# Altium PCB Power Distribution Board Rev5.PcbDoc (part 1 of 2)
Units mil, origin at the board's own origin, x right, y up, seen from the top; angles counter-clockwise.
Board outline 4527.56 x 4527.56 mil, 4 copper layers (Top Layer, L2-Ground, L3-Ground, Bottom Layer), stack 62.449 mil thick; 183 components, 98 nets, 526 pads, 289 vias.
Unrouted connection lines stored in the file: 2.
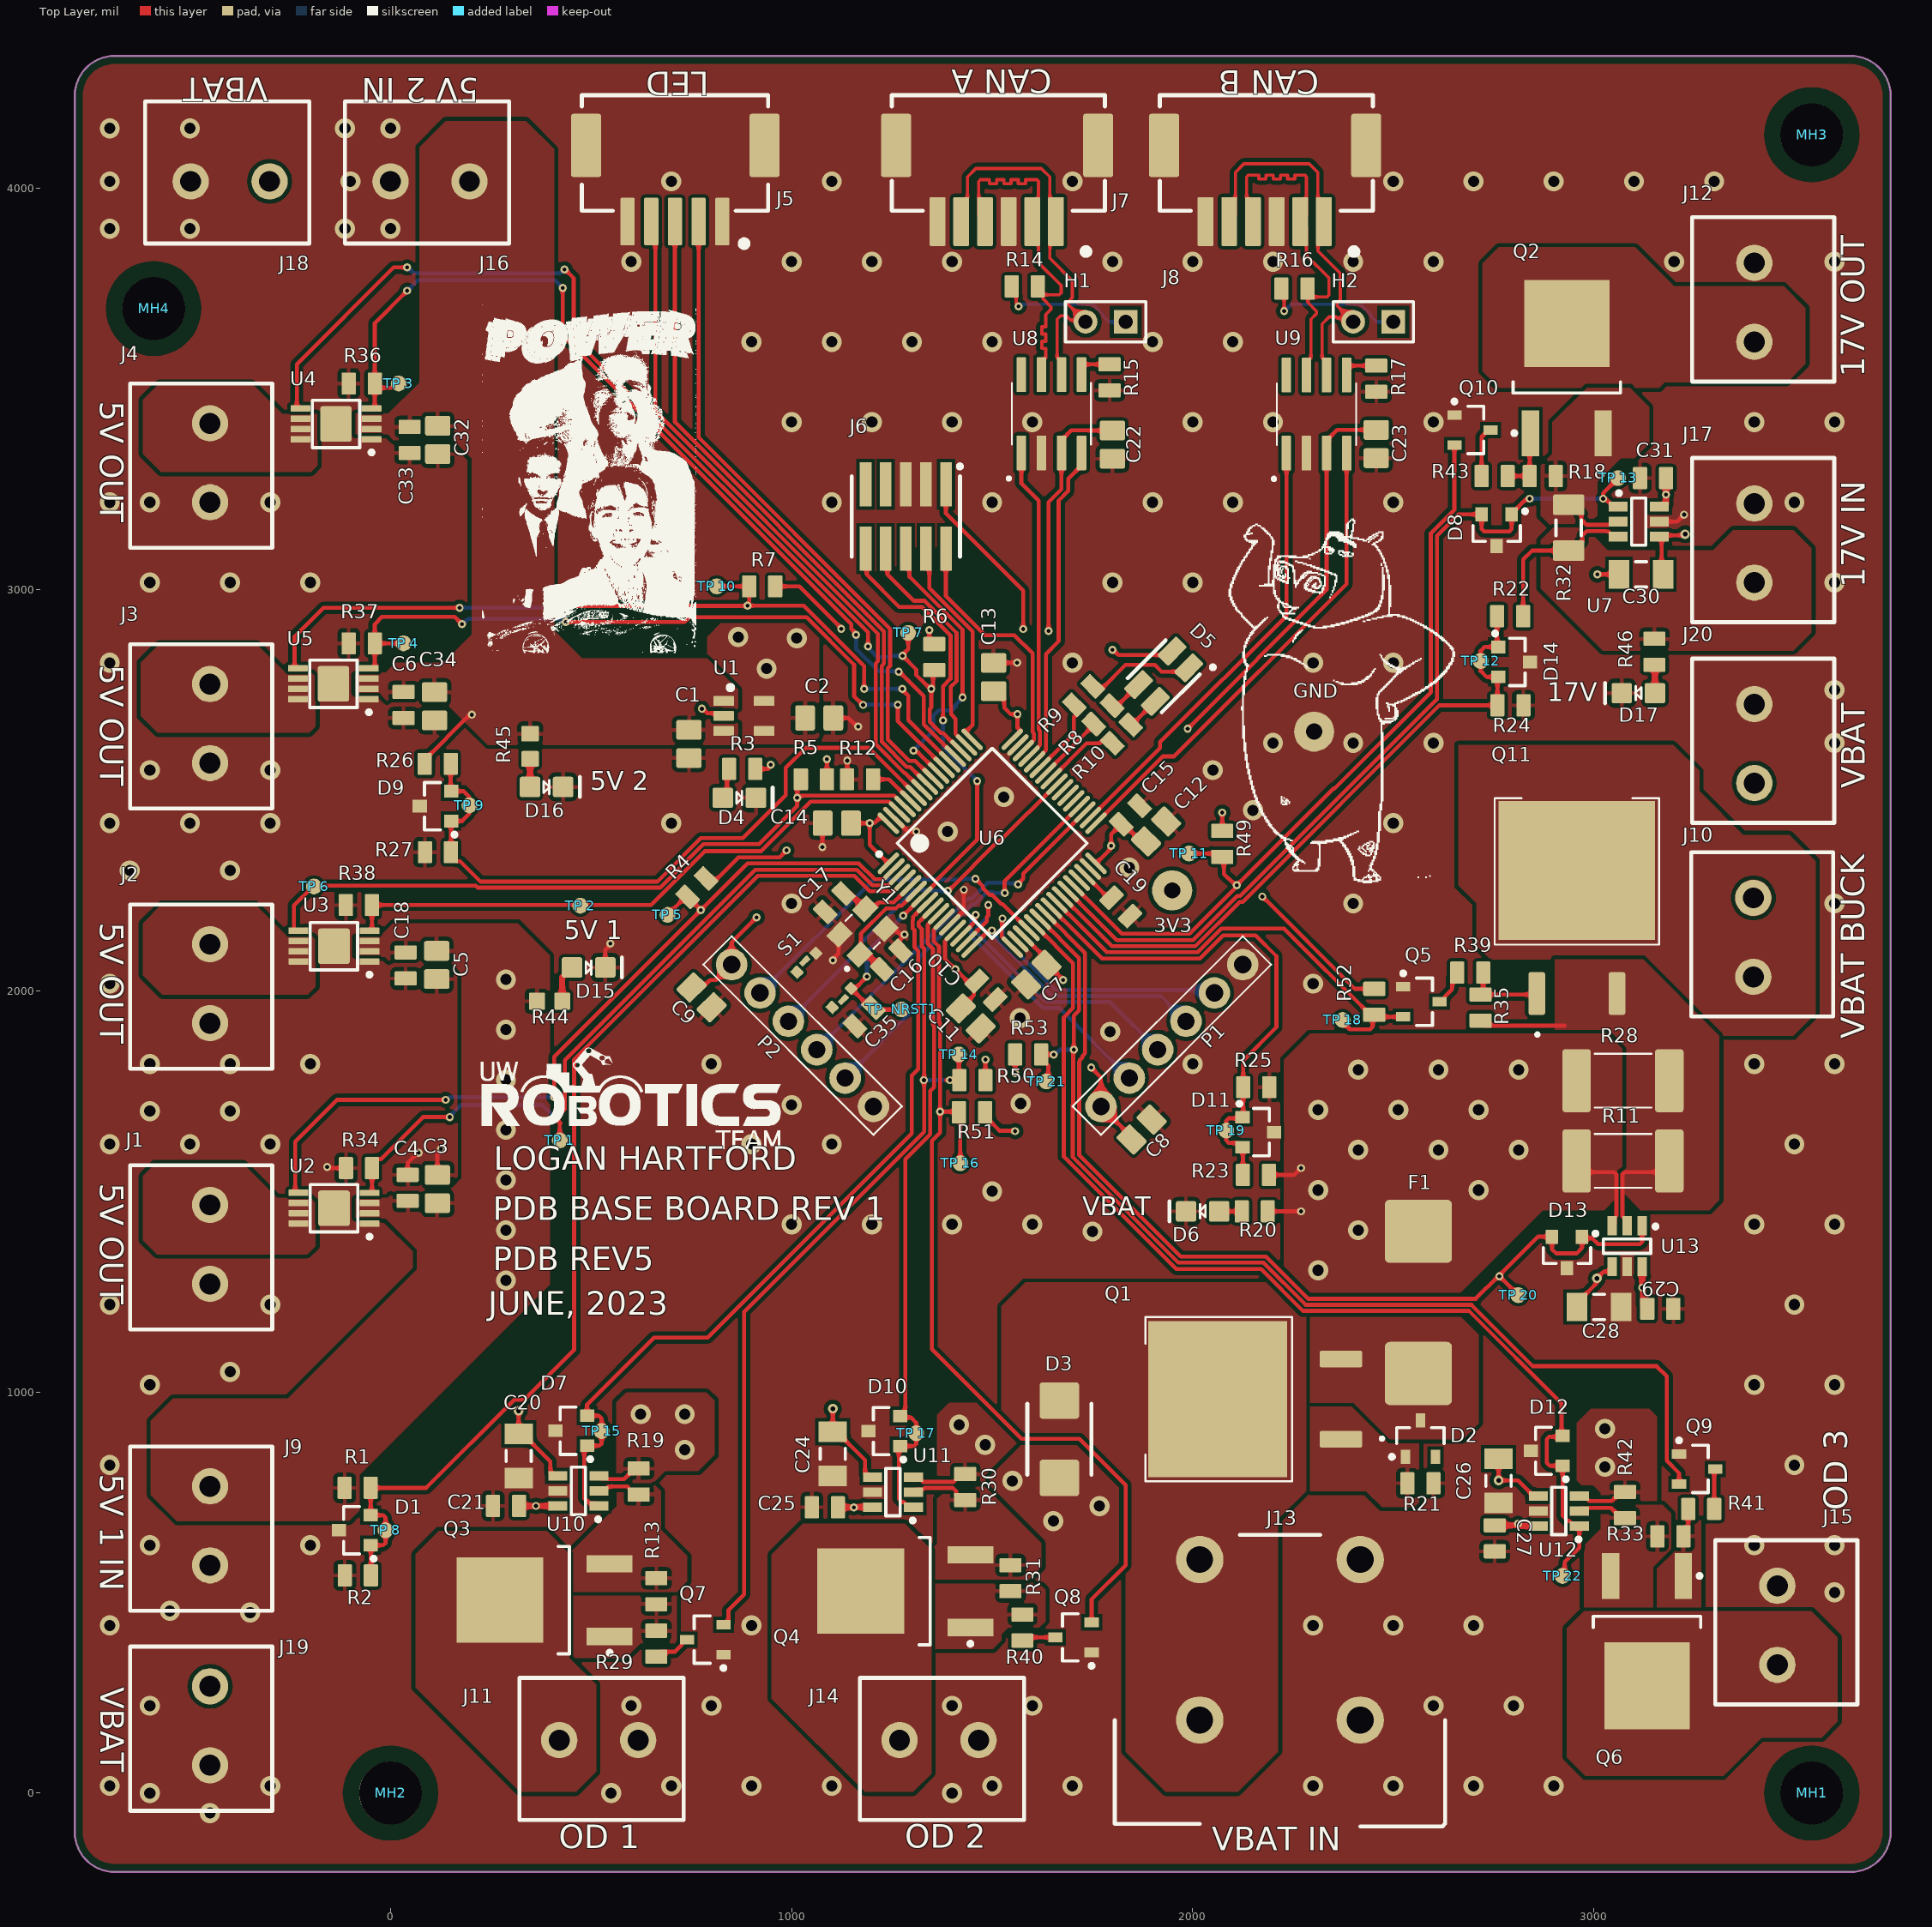
[diagram p0: Top Layer view]
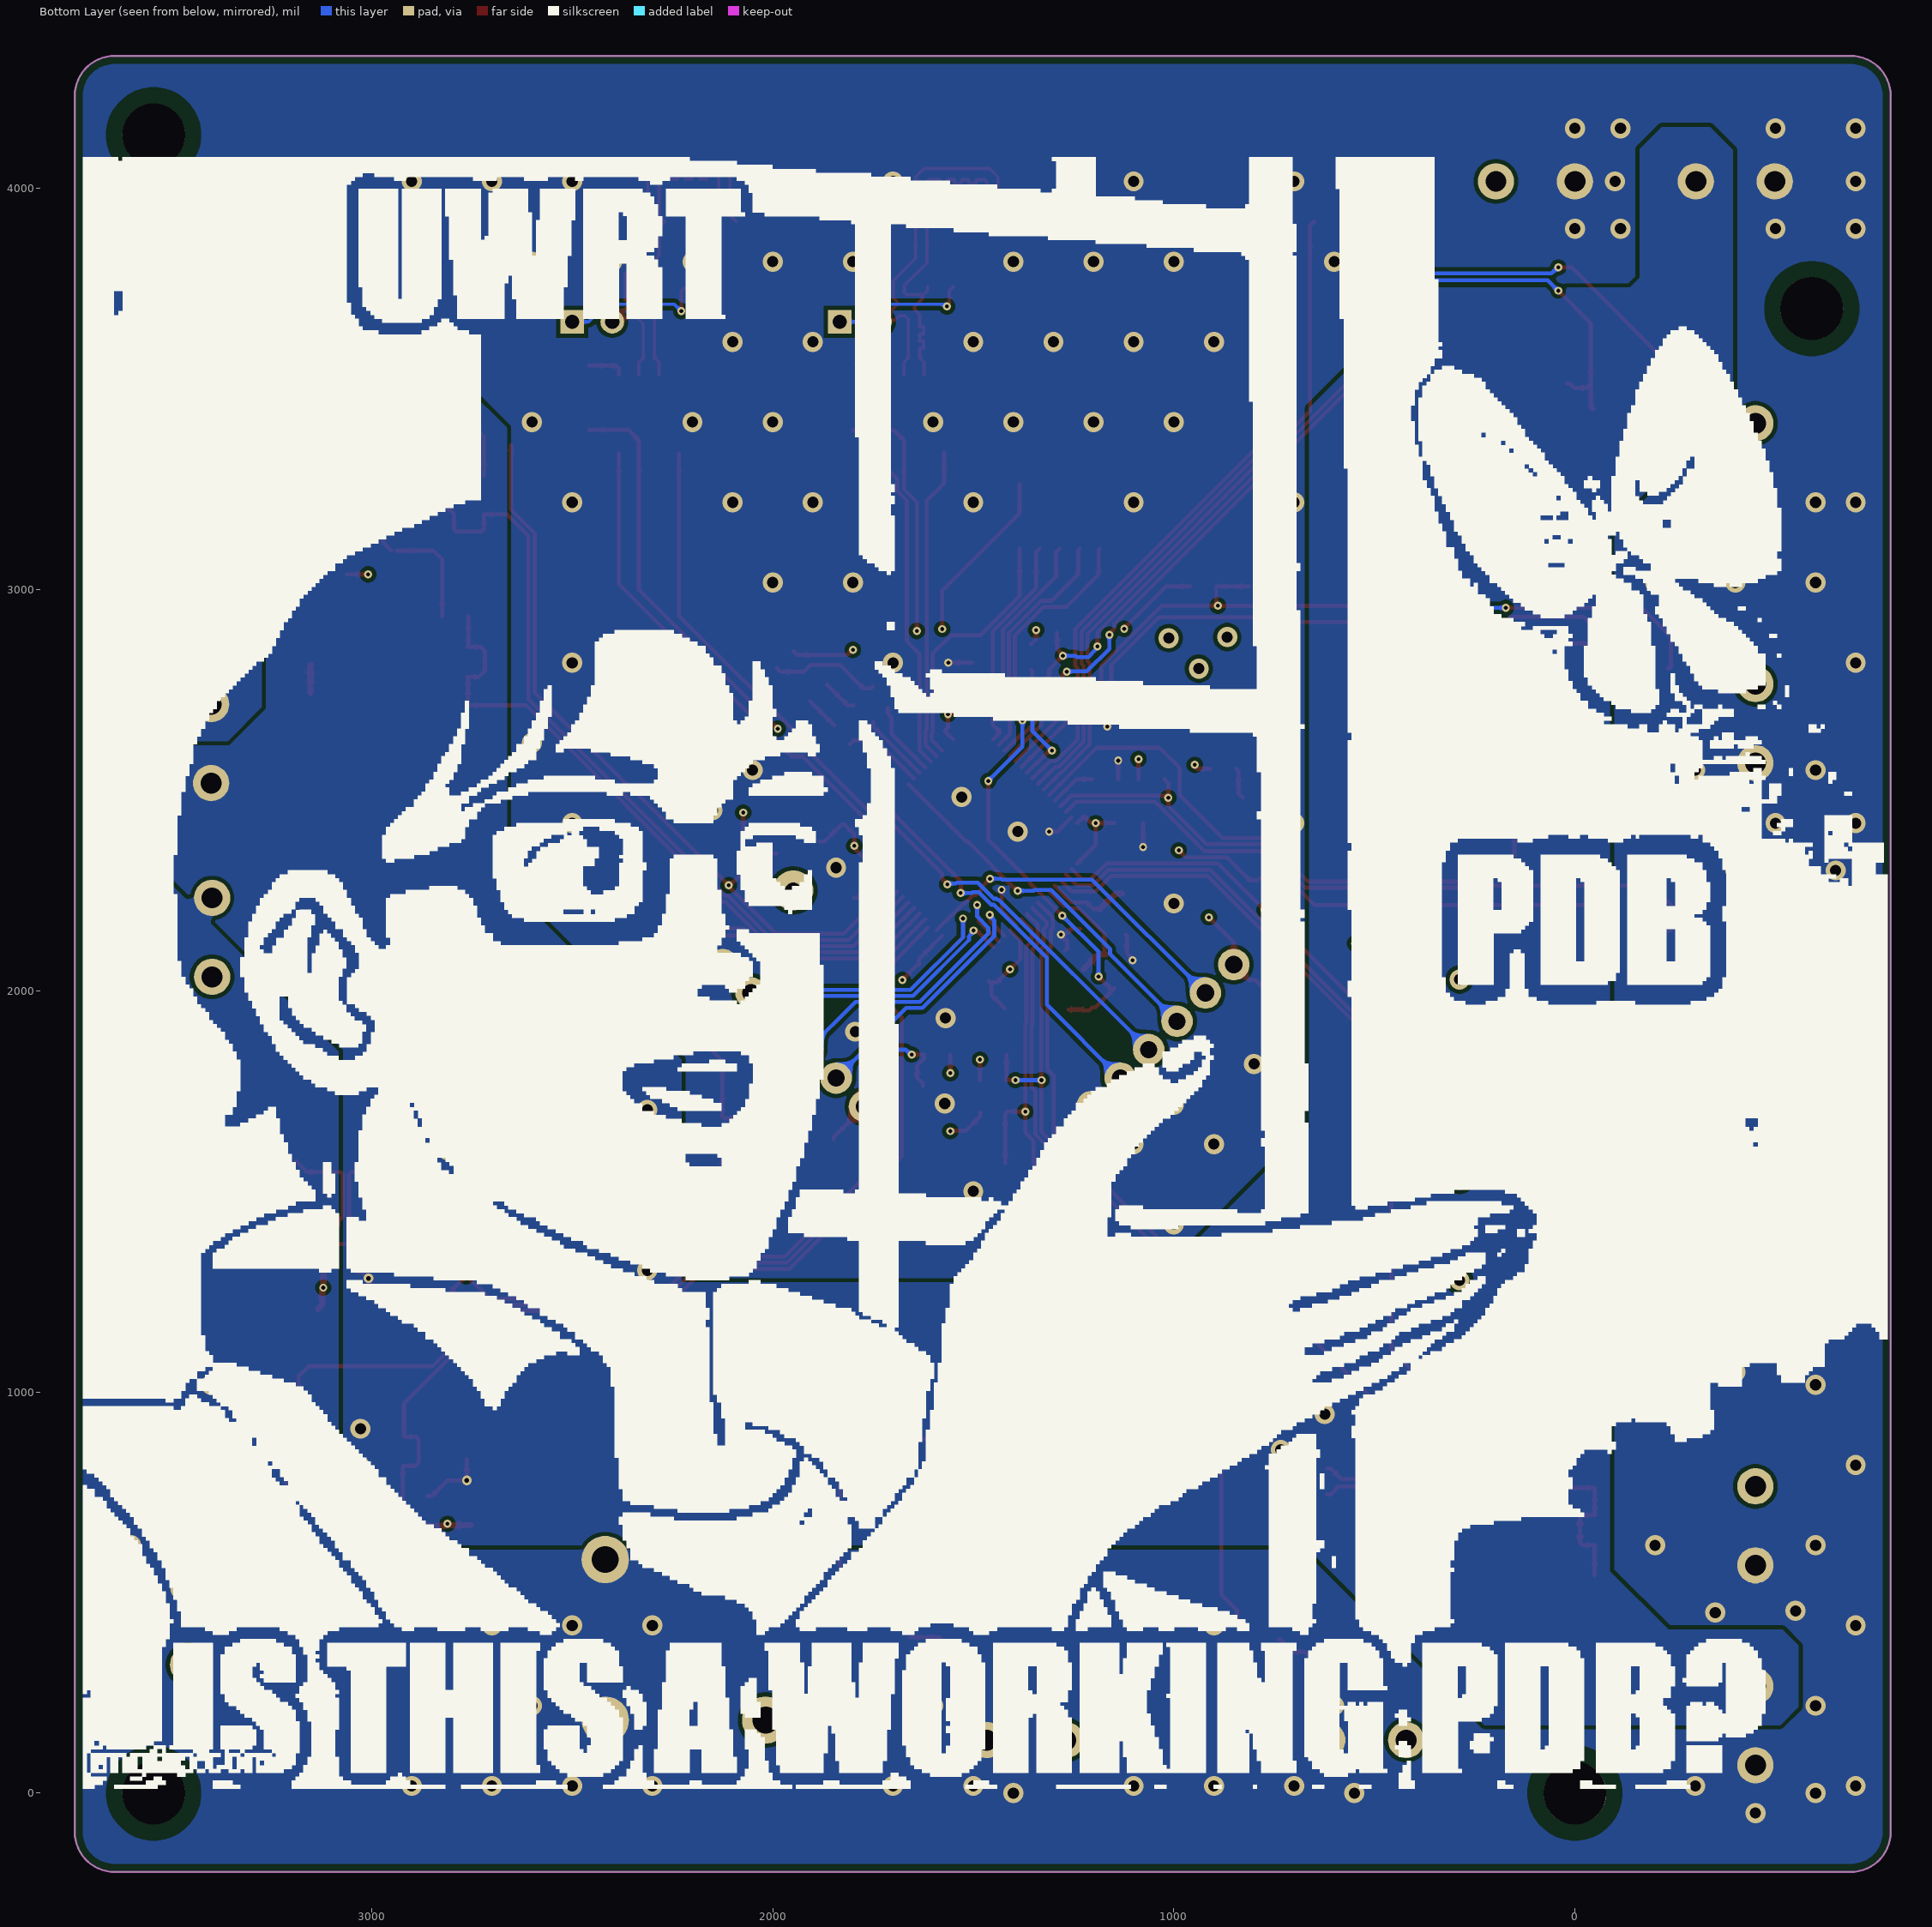
[diagram p1: Bottom Layer view, seen from below]
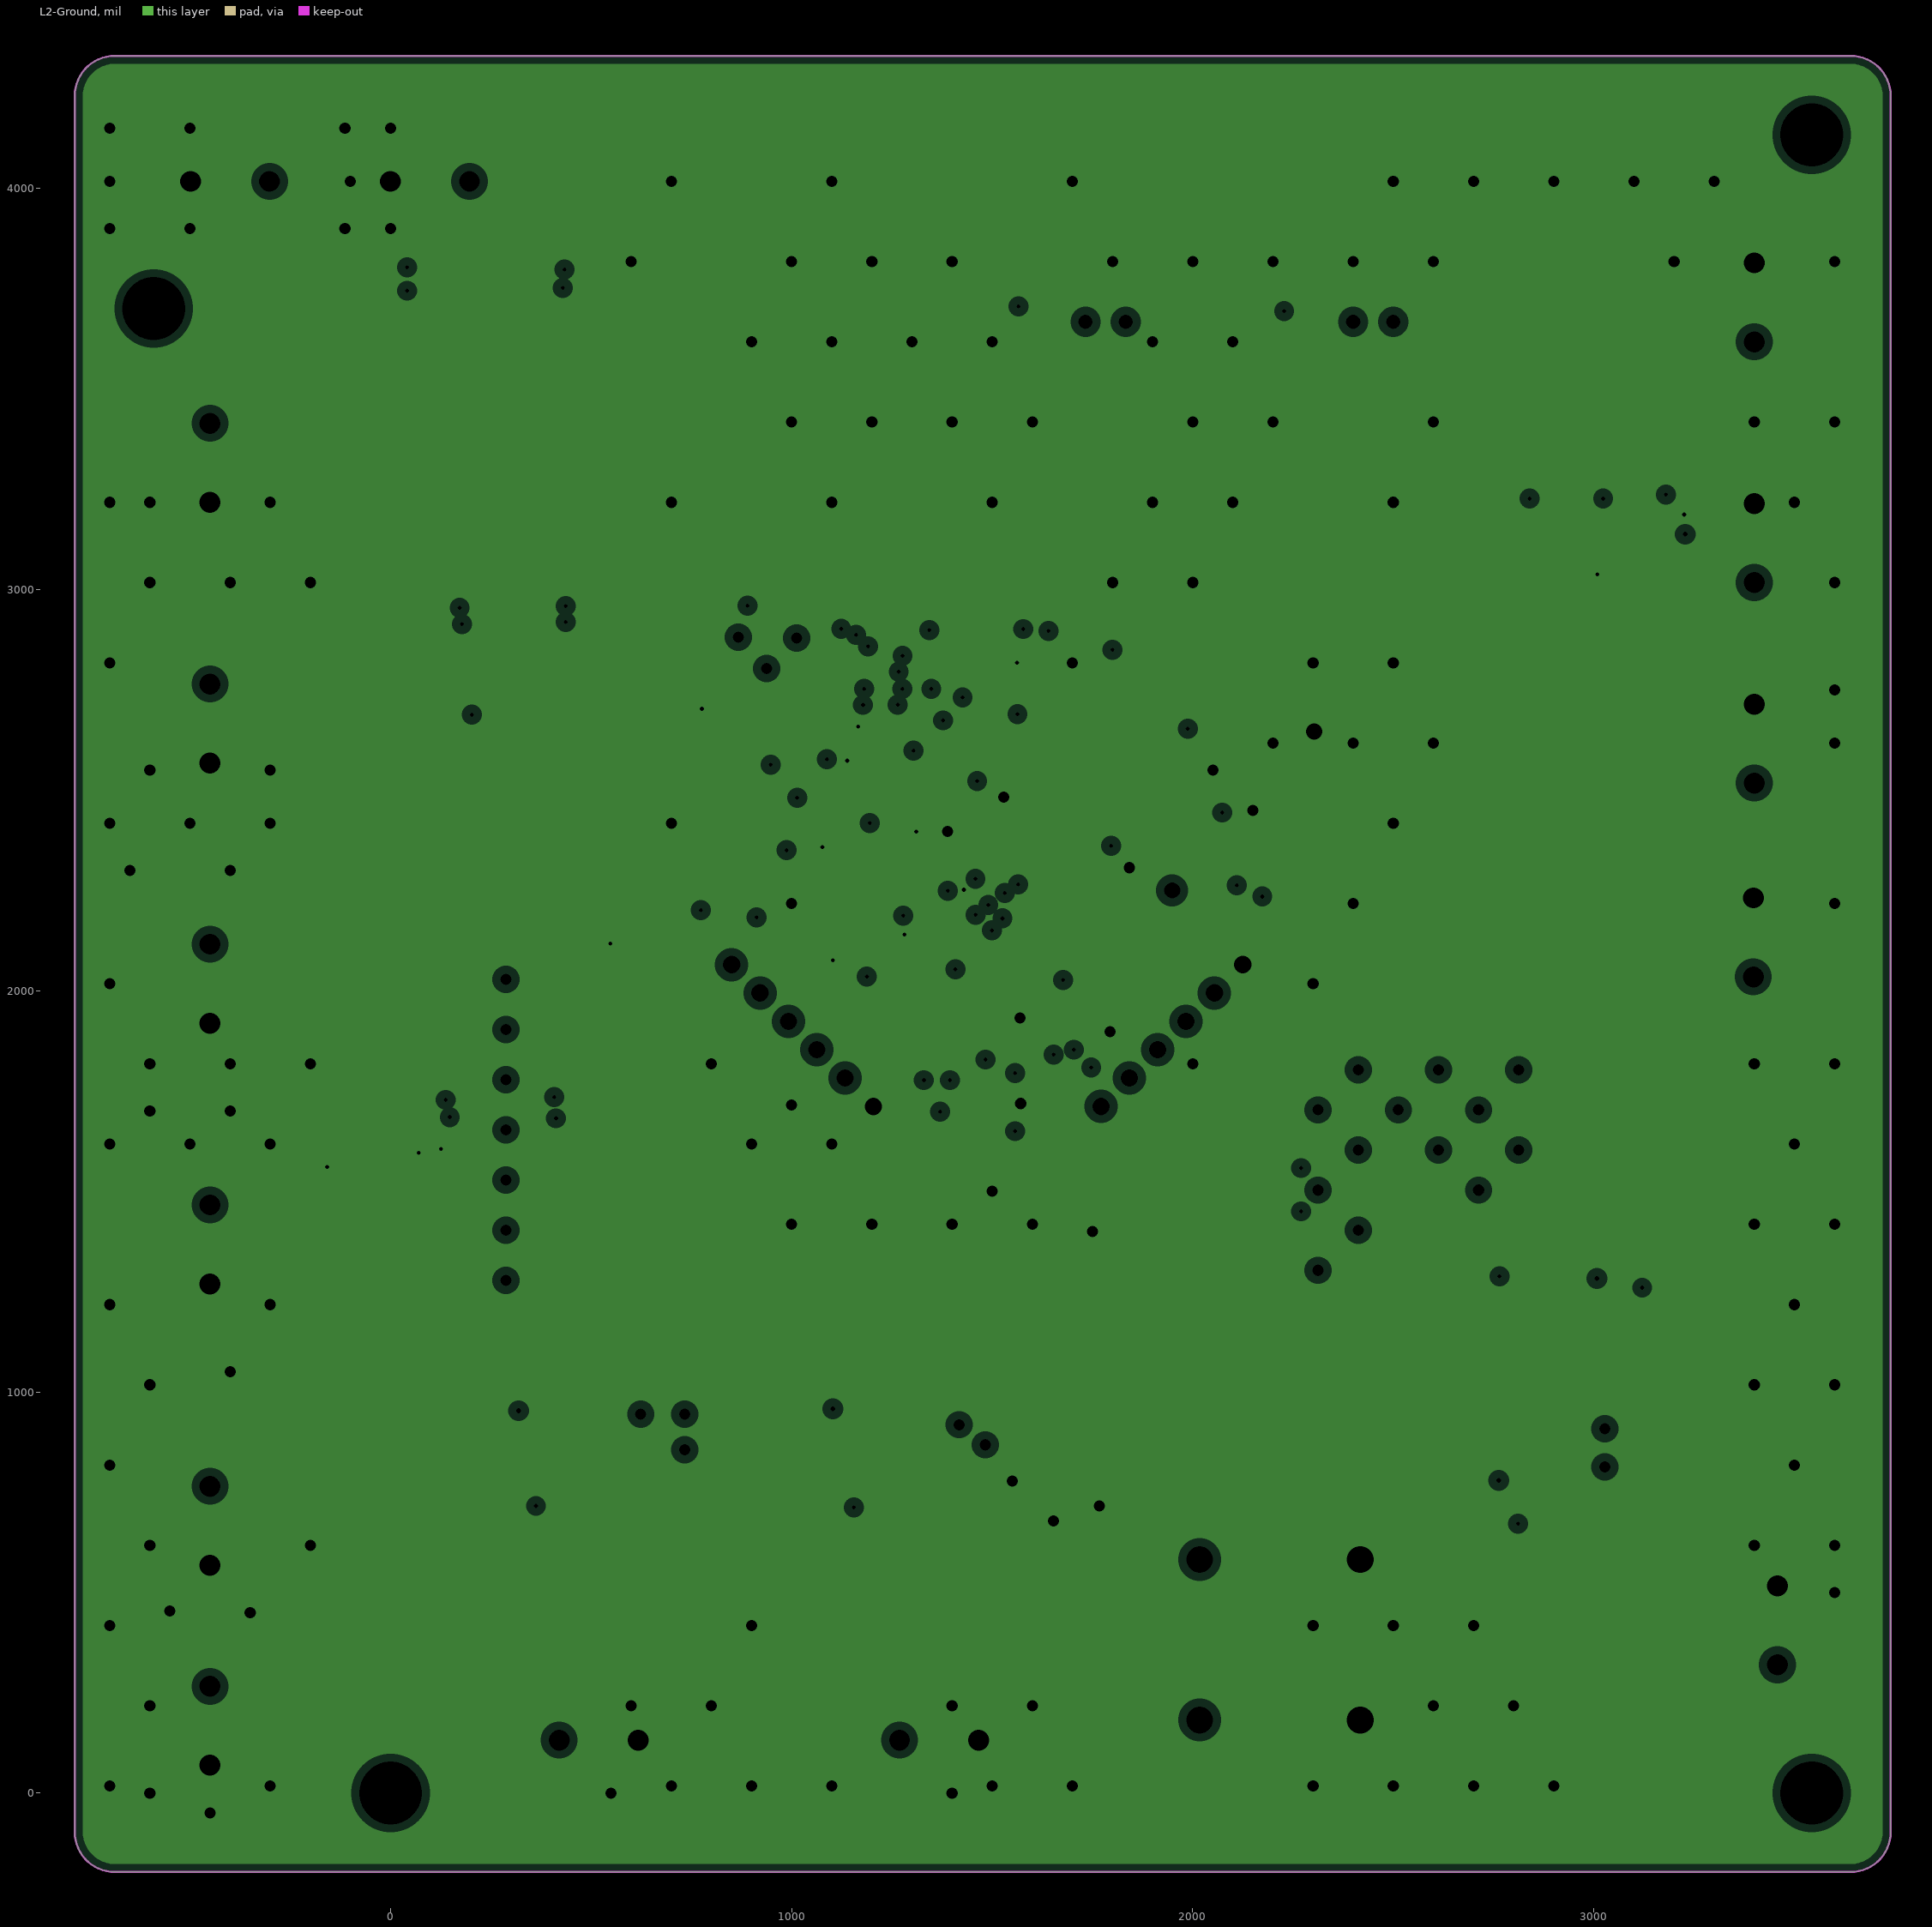
[diagram p2: L2-Ground, clearances drawn from the general rule]